# KiCad board Wrap030-Multiuser.kicad_pcb (continued)
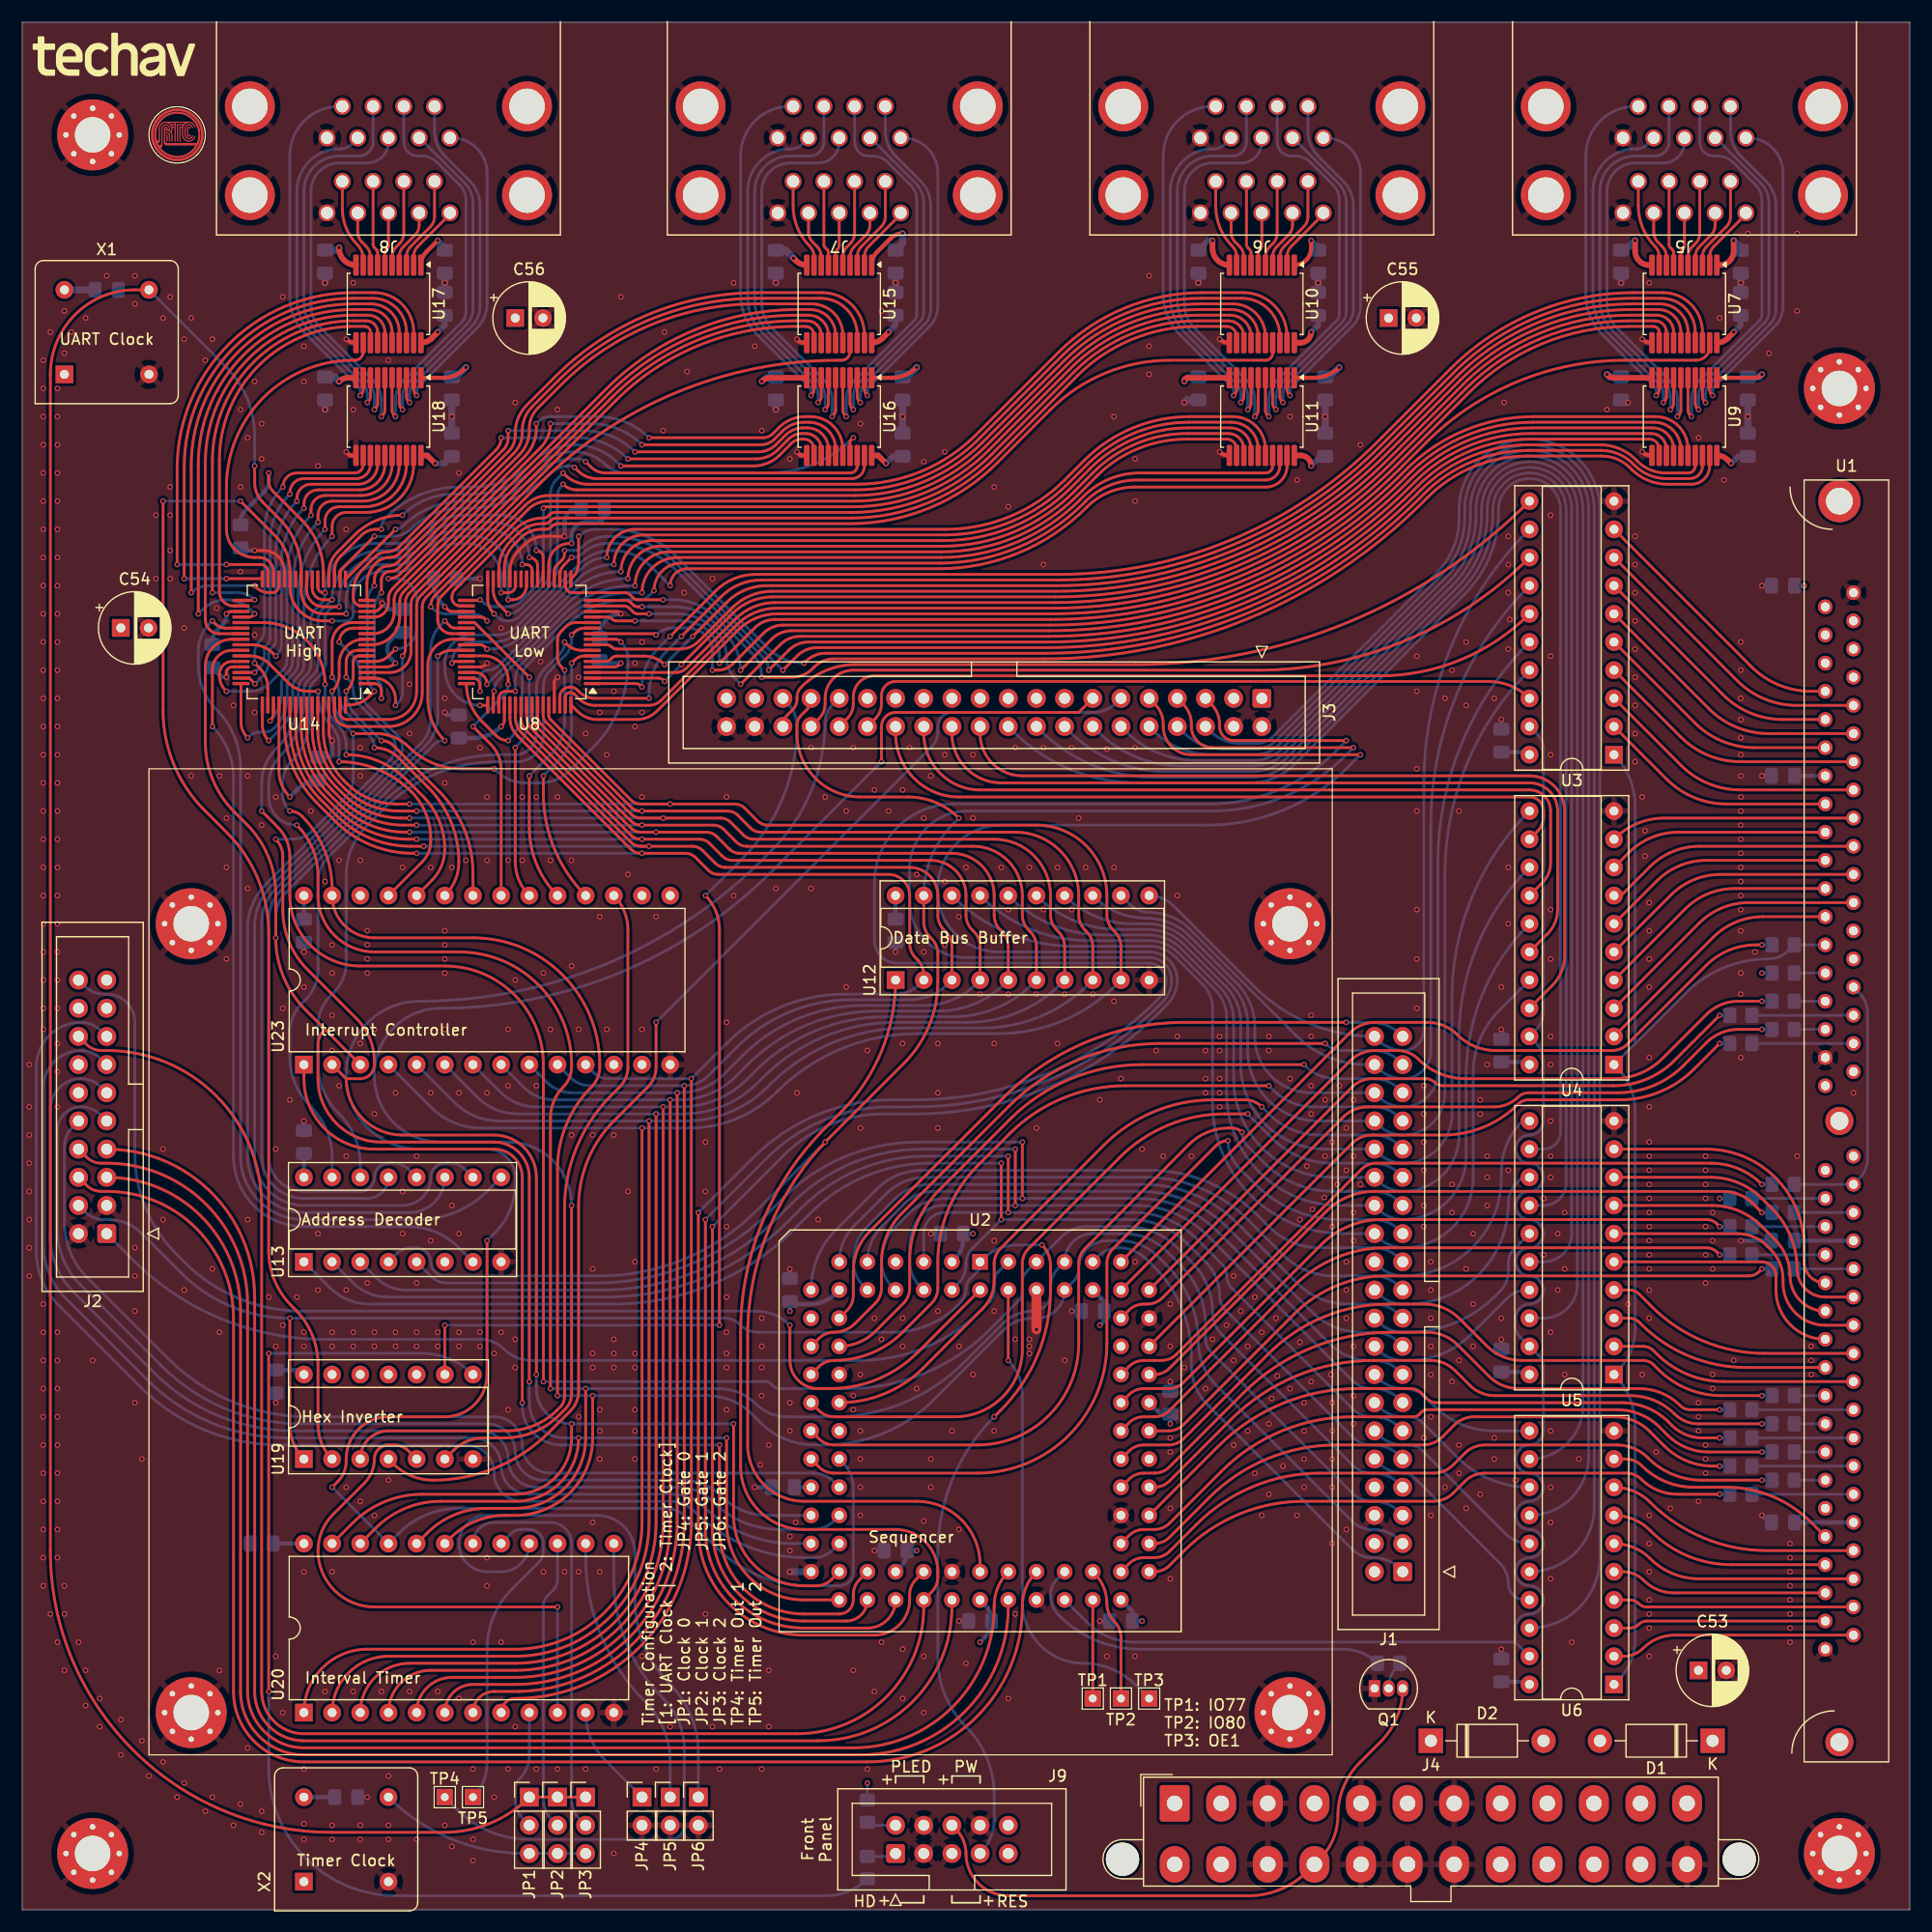
[diagram p0: board, top side]
## Routing (per net, layer and track width the routed paths; a pad name or vN(x,y) marks a point on that pad's centre or on a via; arc(x,y) is an arc through that point) (continued)
  Bottom w0.254: v1(119.38,80.01) 121.61,80.01 arc(123.07,79.72) 124.31,78.89 J1.39
/CPU-A21: length 94.6
  Bottom w0.254: U2.28 67.16,35.56 arc(64.95,36) 63.08,37.25 arc(61.43,38.35) 59.49,38.74 46.99,38.74 arc(45.19,39.48) 44.45,41.28 arc(43.71,43.07) 41.91,43.82 25.14,43.82 arc(18.34,45.17) 12.57,49.02 5.22,56.37 arc(3.71,58.64) 3.18,61.31 3.18,70.27 arc(3.8,71.77) 5.3,72.39 arc(6.27,72.2) 7.09,71.65 J2.9
/CPU-A22: length 101.9
  Bottom w0.254: J2.11 7.09,74.19 arc(6.27,74.74) 5.3,74.93 arc(3.35,74.12) 2.54,72.17 2.54,60.68 arc(3.07,58.01) 4.59,55.74 11.94,48.39 arc(17.71,44.53) 24.51,43.18 41.28,43.18 arc(43.07,42.44) 43.81,40.64 arc(44.56,38.84) 46.36,38.1 59.12,38.1 arc(60.82,37.76) 62.26,36.8 arc(65.04,34.94) 68.32,34.29 71.34,34.29 arc(72.31,34.48) 73.13,35.03 U2.29
/CPU-A23: length 103.3
  Bottom w0.254: J2.13 7.09,76.73 arc(6.27,77.28) 5.3,77.47 arc(2.9,76.48) 1.91,74.08 1.91,60.04 arc(2.44,57.37) 3.95,55.1 11.3,47.75 arc(17.07,43.9) 23.87,42.55 40.64,42.55 arc(42.44,41.8) 43.18,40.01 arc(43.92,38.21) 45.72,37.47 58.75,37.47 arc(60.2,37.17) 61.44,36.35 arc(65.13,33.89) 69.48,33.02 U2.30
/CPU-A31: length 110.6
  Bottom w0.254: U2.31 73.13,32.49 arc(72.31,31.94) 71.34,31.75 70.64,31.75 arc(65.22,32.83) 60.62,35.9 arc(59.59,36.59) 58.37,36.83 45.09,36.83 arc(43.29,37.57) 42.55,39.37 arc(41.8,41.17) 40.01,41.91 23.24,41.91 arc(16.44,43.26) 10.67,47.12 3.32,54.47 arc(1.8,56.74) 1.27,59.41 1.27,75.98 arc(2.45,78.83) 5.3,80.01 arc(6.27,79.82) 7.09,79.27 J2.15
/CPU-CLK: length 88.7
  Bottom w0.254: J2.1 10,58.58 arc(17.91,53.29) 27.25,51.44 41.33,51.44 arc(42.45,51.21) 43.41,50.57 arc(44.56,49.8) 45.93,49.53 75.51,49.53 arc(81.43,50.71) 86.44,54.06 87.26,54.87 arc(87.53,55.29) 87.63,55.77 87.63,56.62 arc(87.73,57.11) 88,57.52 U2.83
/CPU-D0: length 158.2
  Bottom w0.254: J3.6 107.08,106.28 arc(108.32,105.45) 109.79,105.16 111.3,105.16 arc(112.08,105.31) 112.74,105.75 127.53,120.55 arc(129.02,122.77) 129.54,125.4 129.54,126.24 arc(131.4,130.73) 135.89,132.59 arc(140.38,130.73) 142.24,126.24 142.24,31.75 arc(140.38,27.26) U6.18
/CPU-D1: length 154.7
  Bottom w0.254: J3.8 104.62,106.2 arc(106.34,105.05) 108.37,104.65 111.22,104.65 arc(112.19,104.84) 113.01,105.39 127.89,120.27 arc(129.49,122.66) 130.05,125.48 130.05,126.24 arc(131.76,130.37) 135.89,132.08 arc(140.02,130.37) 141.73,126.24 141.73,36.32 arc(140.02,32.19) U6.16
/CPU-D2: length 151.4
  Bottom w0.254: 141.22,126.49 141.22,40.89 arc(139.66,37.12) U6.14 ; J3.10 101.95,106.33 arc(104.38,104.71) 107.24,104.14 111.13,104.14 arc(112.3,104.37) 113.29,105.03 128.25,119.99 arc(129.96,122.55) 130.56,125.56 130.56,126.24 arc(132.12,130.01) 135.89,131.57 arc(139.66,130.01) 141.22,126.24
/CPU-D3: length 147.9
  Bottom w0.254: J3.12 99.5,106.24 arc(102.39,104.31) 105.8,103.63 111.05,103.63 arc(112.41,103.9) 113.56,104.67 128.61,119.72 arc(130.43,122.44) 131.06,125.65 131.06,126.24 arc(132.48,129.65) 135.89,131.06 arc(139.3,129.65) 140.72,126.24 ; 140.72,126.49 140.72,45.47 arc(139.3,42.05) U6.12
/CPU-D4: length 137
  Bottom w0.254: J3.14 96.95,106.25 arc(100.41,103.94) 104.5,103.12 110.97,103.12 arc(112.52,103.43) 113.84,104.31 128.97,119.44 arc(130.9,122.33) 131.57,125.73 131.57,126.24 arc(132.84,129.29) 135.89,130.56 arc(138.94,129.29) 140.21,126.24 140.21,56.39 arc(139.32,54.23) 137.16,53.34 U5.18
/CPU-D5: length 133.7
  Bottom w0.254: U5.16 137.16,58.42 arc(138.96,59.16) 139.7,60.96 139.7,126.48 ; J3.16 94.43,106.23 arc(98.43,103.56) 103.15,102.62 110.88,102.62 arc(112.63,102.96) 114.12,103.96 129.33,119.17 arc(131.36,122.22) 132.08,125.81 132.08,126.24 arc(133.2,128.93) 135.89,130.05 arc(138.58,128.93) 139.7,126.24
/CPU-D6: length 129.9
  Bottom w0.254: U5.14 137.16,63.5 arc(138.6,64.1) 139.19,65.53 139.19,126.24 arc(138.22,128.57) 135.89,129.54 arc(133.56,128.57) 132.59,126.24 132.59,126.24 132.59,125.57 arc(131.77,121.96) 129.69,118.89 114.39,103.6 arc(112.74,102.49) 110.8,102.11 102.04,102.11 arc(96.47,103.22) 91.75,106.37 J3.18
/CPU-D7: length 127
  Top w0.254: U5.12 135.89,69.22
  Bottom w0.254: U5.12 137.16,68.58 arc(138.24,69.03) 138.68,70.1 138.68,126.24 arc(137.87,128.21) 135.89,129.03 arc(133.91,128.21) 133.1,126.24 133.1,125.98 arc(132.3,121.99) 130.05,118.62 114.67,103.24 arc(112.85,102.03) 110.72,101.6 100.6,101.6 arc(94.48,102.82) 89.3,106.28 J3.20
/CPU-D8: length 76.3
  Top w0.254: J3.22 86.36,106.05 arc(87.48,103.35) 90.17,102.24 135.89,102.24 arc(138.14,101.31) 139.06,99.06 139.06,86.03 arc(138.77,84.58) 137.95,83.34 U4.18
/CPU-D9: length 72.8
  Top w0.254: J3.24 83.82,106.05 arc(85.12,102.9) 88.27,101.6 135.89,101.6 arc(137.69,100.86) 138.43,99.06 138.43,90.22 arc(138.19,89) 137.5,87.97 U4.16
/CPU-D10: length 69.4
  Top w0.254: J3.26 81.28,106.05 arc(82.77,102.45) 86.36,100.97 135.89,100.97 arc(137.24,100.41) 137.8,99.06 137.8,94.4 arc(137.6,93.43) 137.05,92.6 U4.14
/CPU-D11: length 66
  Top w0.254: U4.12 136.6,97.23 arc(137.01,97.85) 137.16,98.58 137.16,99.06 arc(136.79,99.96) 135.89,100.33 84.45,100.33 arc(80.41,102) 78.74,106.05 J3.28
/CPU-D12: length 62.8
  Top w0.254: J3.30 76.91,107.39 arc(77.32,108.01) 77.47,108.74 77.47,109.47 arc(77.84,110.37) 78.74,110.74 132.21,110.74 arc(134.2,110.35) U3.18
/CPU-D13: length 66.7
  Top w0.254: J3.32 74.37,107.39 arc(74.78,108.01) 74.93,108.74 74.93,109.35 arc(75.49,110.69) 76.84,111.25 122.4,111.25 arc(129.7,112.7) U3.15
/CPU-D14: length 70.6
  Top w0.254: J3.34 71.83,107.39 arc(72.24,108.01) 72.39,108.74 72.39,109.22 arc(73.13,111.02) 74.93,111.76 111.36,111.76 arc(124.64,114.4) U3.13
/CPU-D15: length 74.2
  Top w0.254: J3.36 68.58,106.79 arc(68.68,107.27) 68.95,107.69 69.48,108.21 arc(69.75,108.63) 69.85,109.11 69.85,109.33 arc(69.95,109.81) 70.22,110.23 arc(72.48,111.74) 75.15,112.27 100.32,112.27 arc(119.57,116.1) U3.11
/CPU-D16: length 19.8
  Bottom w0.254: J1.10 122.26,40.3 arc(123.29,39.61) 124.51,39.37 arc(125.05,39.26) 125.51,38.95 133.23,31.23 arc(133.79,30.4) 133.99,29.42 arc(134.42,28.37) 135.46,27.94 U6.17
/CPU-D17: length 17.8
  Bottom w0.254: J1.12 122.26,42.84 arc(123.29,42.15) 124.51,41.91 124.99,41.91 arc(125.67,41.77) 126.25,41.39 133.72,33.92 arc(134.72,33.25) U6.15
/CPU-D18: length 16.5
  Bottom w0.254: J1.14 122.26,45.38 arc(123.29,44.69) 124.51,44.45 124.99,44.45 arc(125.67,44.31) 126.25,43.93 129.39,40.79 arc(132.37,38.8) U6.13
/CPU-D19: length 15.5
  Bottom w0.254: J1.16 122.26,47.92 arc(123.29,47.23) 124.51,46.99 124.68,46.99 arc(125.65,46.8) 126.47,46.25 127.31,45.41 arc(129.78,43.76) 132.7,43.18 U6.11
/CPU-D20: length 16.5
  Bottom w0.254: U5.17 135.67,55.88 arc(134.7,55.69) 133.88,55.14 130.59,51.85 arc(128.02,50.13) 124.99,49.53 124.51,49.53 arc(123.29,49.77) 122.26,50.46 J1.18
/CPU-D21: length 18.9
  Bottom w0.254: J1.20 122.26,53 arc(123.29,52.31) 124.51,52.07 124.86,52.07 arc(129.18,52.93) 132.85,55.38 133.24,55.77 arc(133.79,56.6) 133.99,57.57 133.99,58.31 arc(134.12,59) 134.52,59.59 U5.15
/CPU-D22: length 21
  Bottom w0.254: J1.22 122.26,55.54 arc(123.29,54.85) 124.51,54.61 124.88,54.61 arc(131.32,57.28) 133.99,63.72 arc(134.18,64.69) 134.73,65.51 135.25,66.04 U5.13
/CPU-D23: length 23.1
  Bottom w0.254: J1.24 122.26,58.08 arc(123.29,57.39) 124.51,57.15 arc(130.76,59.74) 133.35,65.99 133.35,66.52 arc(133.85,69.01) 135.25,71.12 U5.11
/CPU-D24: length 89.8
  Bottom w0.254: U4.17 133.19,81.12 arc(131.43,78.48) 130.81,75.37 130.81,65.99 arc(128.96,61.54) 124.51,59.69 arc(123.29,59.93) 122.26,60.62 J1.26 119.1,60.96 arc(110.77,64.41) 107.32,72.74 107.32,81.29 arc(107.08,82.45) 106.42,83.44 103.89,85.98 arc(102.9,86.64) 101.73,86.87 94.86,86.87 arc(88.88,88.06) U12.18
/CPU-D25: length 87.1
  Bottom w0.254: U12.17 arc(90.86,88.43) 96.17,87.38 101.65,87.38 arc(103.01,87.11) 104.17,86.33 107.54,82.96 arc(108.31,81.8) 108.58,80.44 108.58,73.66 arc(111.56,66.48) 118.74,63.5 J1.28 122.26,63.16 arc(123.29,62.47) 124.51,62.23 arc(128.51,63.89) 130.18,67.9 130.18,75.1 arc(131.66,82.57) U4.15
/CPU-D26: length 84.9
  Bottom w0.254: U4.13 arc(131.19,86.95) 129.54,78.65 129.54,69.8 arc(128.07,66.24) 124.51,64.77 arc(123.29,65.01) 122.26,65.7 J1.30 118.11,66.04 arc(111.82,68.64) 109.22,74.93 109.22,80.23 arc(108.91,81.79) 108.03,83.11 104.44,86.69 arc(103.12,87.57) 101.57,87.88 97.48,87.88 arc(92.84,88.81) U12.16
/CPU-D27: length 82.8
  Bottom w0.254: U12.15 arc(94.82,89.18) 98.8,88.39 101.48,88.39 arc(103.23,88.04) 104.72,87.05 108.52,83.25 arc(109.51,81.77) 109.86,80.02 109.86,76.2 arc(112.09,70.81) 117.48,68.58 J1.32 122.26,68.24 arc(123.29,67.55) 124.51,67.31 arc(127.62,68.6) 128.91,71.71 128.91,82.2 arc(130.72,91.32) U4.11
/CPU-D28: length 88.2
  Bottom w0.254: U3.17 arc(130.25,103.32) 128.27,93.36 128.27,73.61 arc(127.17,70.95) 124.51,69.85 arc(123.29,70.09) 122.26,70.78 J1.34 116.84,71.12 arc(112.35,72.98) 110.49,77.47 110.49,79.81 arc(110.1,81.75) 109,83.4 104.99,87.41 arc(103.34,88.51) 101.4,88.9 100.11,88.9 arc(96.79,89.56) U12.14
/CPU-D29: length 83.5
  Bottom w0.254: U12.13 96.6,91.36 arc(98.76,89.92) 101.32,89.41 arc(103.46,88.98) 105.27,87.77 109.49,83.55 arc(110.7,81.74) 111.13,79.6 111.13,78.74 arc(112.61,75.15) 116.2,73.66 J1.36 122.26,73.32 arc(123.29,72.63) 124.51,72.39 arc(126.72,73.31) 127.64,75.52 127.64,94.37 arc(129.78,105.16) U3.16
/CPU-D30: length 79.7
  Bottom w0.254: U12.12 99.84,90.66 arc(100.66,90.11) 101.64,89.92 101.65,89.92 arc(103.6,89.53) 105.25,88.43 114.87,78.8 arc(117.76,76.88) 121.16,76.2 J1.38 122.26,75.86 arc(123.29,75.17) 124.51,74.93 arc(126.27,75.66) 127,77.42 127,97.92 arc(129.31,109.53) U3.14
/CPU-D31: length 78.4
  Bottom w0.254: U3.12 arc(128.84,113.91) 126.36,101.46 126.36,79.33 arc(125.82,78.01) 124.51,77.47 arc(123.29,77.71) 122.26,78.4 J1.40 arc(116.05,79.91) 111.08,83.23 103.77,90.54 arc(102.77,91.21) U12.11
/CPU-R/~{W}: length 211.7
  Top w0.254: J2.16 5.79,78.03 arc(6.41,77.62) 7.14,77.47 7.62,77.47 arc(17.5,73.38) 21.59,63.5 21.59,19.69 arc(22.71,16.99) 25.4,15.88 69.85,15.88 arc(77.93,19.22) 81.28,27.31 U2.39 81.99,28.65 arc(82.4,29.27) 82.55,30 82.55,30.48 arc(81.43,33.17) 78.74,34.29 70.48,34.29 arc(66.44,35.96) 64.77,40.01 64.77,52.08 arc(66.75,62.04) 72.4,70.49 73.8,71.9 arc(77.46,77.37) U12.1
/CPU-SIZ0: length 138.8
  Top w0.254: J2.8 5.79,67.87 arc(6.41,67.46) 7.14,67.31 7.62,67.31 arc(16.6,63.59) 20.32,54.61 20.32,19.69 arc(21.81,16.09) 25.4,14.61 74.93,14.61 arc(83.91,18.32) 87.63,27.31 87.63,27.41 arc(87.96,29.07) U2.46
/CPU-SIZ1: length 140.8
  Top w0.254: J2.6 5.79,65.33 arc(6.41,64.92) 7.14,64.77 7.62,64.77 arc(15.7,61.42) 19.05,53.34 19.05,19.69 arc(20.91,15.19) 25.4,13.34 76.2,13.34 arc(86.08,17.43) 90.17,27.31 90.17,27.41 arc(90.5,29.07) U2.48
/IDE-CE: length 117.3
  Top w0.254: v1(22.23,50.17) v1(22.23,19.69)
  Bottom w0.254: v1(22.23,19.69) 22.23,12.77 arc(25.59,4.64) 33.73,1.27 72.48,1.27 arc(74.49,1.67) R23.1 ; v1(22.23,50.17) 36.04,50.17 arc(38.53,49.67) U19.8
/IDE-CE-R: length 2.7
  Bottom w0.254: R23.2 78.47,4.81 J9.1
/IRQ0: length 68.3
  Top w0.254: U19.3 arc(31.22,42.44) 33.02,43.18 43.72,43.18 arc(46.15,43.66) 48.21,45.04 48.52,45.35 arc(48.8,45.76) 48.89,46.25 48.89,63.23 arc(49.99,68.76) 53.12,73.44 53.87,74.19 arc(54.42,75.01) 54.61,75.98 54.61,88.37 arc(54.28,90.03) U23.17
/MEM-A0: length 55.6
  Top w0.254: v1(153.04,37.47) 149.24,37.47 arc(147.47,37.82) 145.96,38.82 arc(145.36,39.23) 144.64,39.37 131.86,39.37 arc(130.89,39.18) 130.07,38.63 129.01,37.57 arc(128.19,37.02) 127.22,36.83 115.53,36.83 arc(109.7,35.67) 104.76,32.37 103.43,31.04 arc(102.81,30.63) 102.08,30.48 U2.54
  Bottom w0.254: R1.1 v1(153.04,37.47)
/MEM-A0-R: length 9.2
  Bottom w0.254: R1.2 U1.12
/MEM-A1: length 63.2
  Top w0.254: v1(156.85,38.74) 151.42,38.74 arc(148.81,39.25) 146.59,40.73 arc(145.29,41.6) 143.75,41.91 131.86,41.91 arc(130.89,41.72) 130.07,41.17 129.01,40.11 arc(128.19,39.56) 127.22,39.37 117.01,39.37 arc(110.99,38.17) 105.88,34.76 103.43,32.31 arc(102.81,31.9) 102.08,31.75 101.12,31.75 arc(100.39,31.6) 99.77,31.19 U2.55
  Bottom w0.254: R2.1 v1(156.85,38.74)
/MEM-A1-R: length 2.8
  Bottom w0.254: U1.13 R2.2
/MEM-A2: length 57.5
  Top w0.254: U2.56 102.08,33.02 arc(102.81,33.17) 103.43,33.58 107,37.15 arc(112.27,40.67) 118.49,41.91 126.27,41.91 arc(127.24,42.1) 128.06,42.65 129.11,43.71 arc(129.94,44.26) 130.91,44.45 143.56,44.45 arc(145.27,44.11) 146.73,43.14 148.04,41.82 arc(150.06,40.48) 152.43,40.01 v1(153.04,40.01)
  Bottom w0.254: R3.1 v1(153.04,40.01)
/MEM-A2-R: length 9.2
  Bottom w0.254: R3.2 U1.14
/MEM-A3: length 63.9
  Top w0.254: v1(156.85,41.28) 152.01,41.28 arc(150.02,41.67) 148.34,42.8 147.63,43.5 arc(145.88,44.67) 143.81,45.09 126.63,45.09 arc(126.39,45.04) 126.18,44.9 125.92,44.64 arc(125.71,44.5) 125.47,44.45 119.97,44.45 arc(113.56,43.17) 108.12,39.54 103.43,34.85 arc(102.81,34.44) 102.08,34.29 101.12,34.29 arc(100.39,34.14) 99.77,33.73 U2.57
  Bottom w0.254: R4.1 v1(156.85,41.28)
/MEM-A3-R: length 2.8
  Bottom w0.254: U1.15 R4.2
/MEM-A4: length 57.6
  Top w0.254: U2.58 107.82,41.78 arc(113.59,45.64) 120.39,46.99 125.2,46.99 arc(125.69,46.89) 126.1,46.62 126.63,46.09 arc(127.04,45.82) 127.53,45.72 144.19,45.72 arc(146.5,45.26) 148.45,43.96 148.72,43.68 arc(149.98,42.84) 151.47,42.55 v1(153.04,42.55)
  Bottom w0.254: R5.1 v1(153.04,42.55)
/MEM-A4-R: length 9.2
  Bottom w0.254: R5.2 U1.16
/MEM-A5: length 61.7
  Top w0.254: U2.60 102.08,38.1 arc(102.81,38.25) 103.43,38.66 108.94,44.17 arc(114.88,48.14) 121.88,49.53 126.95,49.53 arc(128.17,49.29) 129.2,48.6 130.52,47.28 arc(131.55,46.6) 132.76,46.36 144.98,46.36 arc(147.14,45.93) 148.97,44.7 arc(149.96,44.05) 151.12,43.82 v1(156.85,43.82)
  Bottom w0.254: R6.1 v1(156.85,43.82)
/MEM-A5-R: length 2.8
  Bottom w0.254: U1.17 R6.2
/MEM-A6: length 62
  Top w0.254: v1(153.04,45.09) 150.39,45.09 arc(149.9,45.18) 149.49,45.46 arc(147.79,46.59) 145.79,46.99 134.93,46.99 arc(133.47,47.28) 132.23,48.11 129.39,50.95 arc(128.15,51.78) 126.69,52.07 123.36,52.07 arc(116.16,50.64) 110.06,46.56 103.43,39.93 arc(102.81,39.52) 102.08,39.37 101.12,39.37 arc(100.39,39.22) 99.77,38.81 U2.61
  Bottom w0.254: R7.1 v1(153.04,45.09)
/MEM-A6-R: length 9.2
  Bottom w0.254: R7.2 U1.18
/MEM-A7: length 61.6
  Top w0.254: U2.64 103.35,43.18 arc(104.08,43.33) 104.7,43.74 114.69,53.73 arc(118.48,56.26) 122.95,57.15 155.68,57.15 arc(156.17,57.25) 156.58,57.52 v1(156.85,57.79)
  Bottom w0.254: R8.1 v1(156.85,57.79)
/MEM-A7-R: length 5.4
  Bottom w0.254: R8.2 U1.28
/MEM-A8: length 61.4
  Top w0.254: v1(153.04,61.59) 152.77,61.86 arc(152.36,62.13) 151.87,62.23 122.54,62.23 arc(119.62,61.65) 117.15,60 104.7,47.55 arc(104.08,47.14) 103.35,46.99 101.12,46.99 arc(100.39,46.84) 99.77,46.43 U2.67
  Bottom w0.254: R9.1 v1(153.04,61.59)
/MEM-A8-R: length 6.6
  Bottom w0.254: R9.2 U1.31
/MEM-A9: length 63.3
  Top w0.254: U2.68 102.08,48.26 arc(102.81,48.41) 103.43,48.82 117.59,62.98 arc(119.57,64.31) 121.91,64.77 153.36,64.77 arc(154.82,64.48) 156.06,63.65 v1(156.85,62.87)
  Bottom w0.254: R10.1 v1(156.85,62.87)
/MEM-A9-R: length 5.3
  Bottom w0.254: U1.32 R10.2
/MEM-A10: length 66.3
  Top w0.254: v1(156.85,46.36) 153.23,46.36 arc(150.12,46.97) 147.48,48.73 147.06,49.16 arc(146.64,49.43) 146.16,49.53 135.19,49.53 arc(133.49,49.87) 132.05,50.83 129.57,53.31 arc(128.13,54.27) 126.43,54.61 123.15,54.61 arc(117.32,53.45) 112.38,50.15 104.7,42.47 arc(104.08,42.06) 103.35,41.91 101.12,41.91 arc(100.39,41.76) 99.77,41.35 U2.63
  Bottom w0.254: R11.1 v1(156.85,46.36)
/MEM-A10-R: length 2.8
  Bottom w0.254: U1.19 R11.2
/MEM-A11: length 61.3
  Top w0.254: v1(153.04,59.06) 152.77,59.32 arc(152.36,59.59) 151.87,59.69 122.95,59.69 arc(118.48,58.8) 114.69,56.27 103.43,45.01 arc(102.81,44.6) 102.08,44.45 101.12,44.45 arc(100.39,44.3) 99.77,43.89 U2.65
  Bottom w0.254: R12.1 v1(153.04,59.06)
/MEM-A11-R: length 6.6
  Bottom w0.254: U1.29 R12.2
/MEM-D0: length 22.1
  Top w0.254: U1.2 148.99,24.77 arc(147.45,24.46) 146.14,23.58 arc(145.34,23.05) 144.39,22.86 U6.2
/MEM-D1: length 21.8
  Top w0.254: 165.1,27.31 146.45,27.31 arc(146.08,27.38) 145.77,27.59 arc(145.38,27.85) 144.91,27.94 U6.4
/MEM-D2: length 22.4
  Top w0.254: 165.1,29.84 151.18,29.84 arc(148.79,30.32) 146.76,31.67 arc(145.27,32.67) U6.6
/MEM-D3: length 23.1
  Top w0.254: U1.8 157.31,32.39 arc(151.6,33.52) 146.76,36.75 arc(145.27,37.75) U6.8
/MEM-D4: length 22.5
  Top w0.254: 165.1,47.62 153.4,47.62 arc(150.13,48.28) 147.35,50.13 147.06,50.43 arc(146.64,50.7) 146.16,50.8 U5.2
/MEM-D5: length 23.3
  Top w0.254: U5.4 144.89,55.88 arc(145.37,55.78) 145.79,55.51 146.89,54.4 arc(151.59,51.27) 157.12,50.17 U1.22
/MEM-D6: length 26.4
  Top w0.254: U1.24 162.56,52.71 arc(159.87,53.82) 158.75,56.52 158.75,56.84 arc(158.46,58.3) 157.63,59.54 157.33,59.84 arc(156.09,60.67) 154.63,60.96 U5.6
/MEM-D7: length 27.7
  Top w0.254: U5.8 152.24,66.04 arc(154.73,65.54) 156.85,64.13 157.77,63.21 arc(159.44,60.72) 160.02,57.79 arc(160.76,55.99) 162.56,55.25 165.1,55.25
/MEM-D8: length 23.2
  Top w0.254: U4.2 152.45,87.68 arc(154.51,89.05) 156.94,89.54 U1.49
/MEM-D9: length 22.2
  Top w0.254: U4.4 149.91,90.22 arc(151.97,91.59) 154.4,92.08 U1.51
/MEM-D10: length 21.1
  Top w0.254: U4.6 147.37,92.76 arc(149.43,94.13) 151.86,94.62 U1.53
/MEM-D11: length 20.1
  Top w0.254: U4.8 144.83,95.3 arc(146.89,96.67) 149.32,97.16 U1.55
/MEM-D12: length 21.6
  Top w0.254: U1.57 153.65,99.7 arc(150.74,100.28) 148.26,101.93 U3.2
/MEM-D13: length 22.7
  Top w0.254: U1.61 156.19,104.78 arc(153.28,105.36) 150.8,107.01 U3.5
/MEM-D14: length 23.7
  Top w0.254: U3.7 153.34,109.55 arc(155.82,107.9) 158.73,107.32 U1.63
/MEM-D15: length 24.8
  Top w0.254: U1.65 161.27,109.86 arc(158.36,110.44) 155.88,112.09 U3.9
/MEM-D16: length 19.2
  Top w0.254: U1.3 146.45,26.04 arc(146.08,25.96) 145.77,25.75 arc(145.38,25.49) 144.92,25.4 U6.3
/MEM-D17: length 19.6
  Top w0.254: U6.5 144.3,30.48 arc(145.33,30.27) 146.2,29.69 arc(147.44,28.87) 148.9,28.58 U1.5
/MEM-D18: length 20.3
  Top w0.254: U1.7 154.1,31.12 arc(150.18,31.89) 146.86,34.11 146.76,34.21 arc(145.27,35.21) U6.7
/MEM-D19: length 21.1
  Top w0.254: U1.9 161.28,34.93 arc(157.77,37.28) 153.64,38.1 150.7,38.1 arc(148.16,38.6) 146.02,40.04 arc(145.35,40.48) 144.57,40.64 U6.9
/MEM-D20: length 20.3
  Top w0.254: U5.3 144.89,53.34 arc(145.37,53.24) 145.79,52.97 145.93,52.82 arc(150.28,49.92) 155.42,48.9 U1.21
/MEM-D21: length 23.6
  Top w0.254: U5.5 156.85,58.42 arc(157.74,58.05) 158.12,57.15 158.12,55.88 arc(159.42,52.74) U1.23
/MEM-D22: length 24.1
  Top w0.254: U5.7 152.35,63.5 arc(154.74,63.02) 156.77,61.67 158.04,60.4 arc(159.03,58.91) 159.38,57.15 arc(160.31,54.9) U1.25
/MEM-D23: length 26.5
  Top w0.254: U5.9 151.83,68.58 arc(158.07,66) 160.66,59.76 160.66,58.42 arc(161.21,57.07) U1.27
/MEM-D24: length 25.3
  Top w0.254: 165.1,90.81 155.67,90.81 arc(153.24,90.32) 151.18,88.95 U4.3
/MEM-D25: length 24.2
  Top w0.254: U4.5 148.64,91.49 arc(150.7,92.86) 153.13,93.35 165.1,93.35
/MEM-D26: length 23.2
  Top w0.254: U1.54 151.22,95.89 arc(148.79,95.4) 146.73,94.03 144.14,91.44
  Bottom w0.254: U4.7 144.14,91.44
/MEM-D27: length 22.1
  Top w0.254: U4.9 143.56,96.57 arc(145.62,97.94) 148.05,98.43 U1.56
/MEM-D28: length 24.7
  Top w0.254: U1.58 154.92,100.96 arc(152.01,101.55) 149.53,103.2 U3.3
/MEM-D29: length 24.7
  Top w0.254: U3.4 149.53,105.74 arc(152.01,104.09) 154.92,103.51 165.1,103.51
/MEM-D30: length 25.7
  Top w0.254: U1.62 157.46,106.05 arc(154.55,106.63) 152.07,108.28 U3.6
/MEM-D31: length 26.8
  Top w0.254: U3.8 154.61,110.82 arc(157.09,109.17) 160,108.59 165.1,108.59
/PIT-CLK: length 19.1
  Bottom w0.254: JP3.3 45.28,5.08 arc(38.65,6.4) X2.5
/PIT-CLK0: length 10.9
  Bottom w0.254: JP1.2 45.19,8.15 arc(44.64,8.97) 44.45,9.94 44.45,10.9 arc(44.55,11.39) 44.82,11.8 44.87,11.85 arc(45.5,12.79) 45.72,13.91 U20.9
/PIT-CLK1: length 26.2
  Bottom w0.254: JP2.2 47.73,8.15 arc(47.18,8.97) 46.99,9.94 46.99,27.41 arc(47.09,27.9) 47.36,28.31 47.89,28.84 arc(48.16,29.25) 48.26,29.74 U20.15
/PIT-CLK2: length 36.9
  Bottom w0.254: JP3.2 50.27,8.15 arc(49.72,8.97) 49.53,9.94 49.53,33.02 arc(48.97,34.37) 47.62,34.93 42.55,34.93 arc(41.2,34.37) U20.18
/PIT-GATE0: length 9.5
  Bottom w0.254: JP4.1 52.6,13.44 arc(51.27,15.43) U20.11
/PIT-GATE1: length 24.9
  Bottom w0.254: U20.14 50.8,31.74 arc(52.2,24.71) 56.18,18.75 arc(57.84,16.27) 58.42,13.35 JP5.1
/PIT-GATE2: length 52
  Bottom w0.254: JP6.1 60.96,14.15 arc(60.29,17.5) 58.39,20.35 arc(56.06,23.83) 55.25,27.95 55.25,32.15 arc(54.25,34.56) 51.84,35.56 41.91,35.56 arc(40.11,34.82) 39.37,33.02 arc(40.11,31.22) 41.91,30.48 43.18,30.48 arc(44.98,31.22) U20.16
/PIT-OUT0: length 49
  Top w0.254: U19.5 34.85,41.35 arc(34.23,41.76) 33.5,41.91 33.02,41.91 arc(32.12,41.54) 31.75,40.64 arc(31.52,39.47) 30.85,38.47 28.02,35.64 arc(27.02,34.14) 26.67,32.39 arc(28.16,28.79) 31.75,27.31 v1(48.26,27.31)
  Bottom w0.254: v1(48.26,27.31) U20.10
/PIT-OUT1: length 50.6
  Bottom w0.254: TP4.1 39.23,9.03 arc(42.2,7.05) 45.7,6.35 58.42,6.35 arc(59.32,6.72) 59.69,7.62 59.69,14.51 arc(59.21,16.94) 57.83,19 arc(54.51,23.98) 53.34,29.84 U20.13
/PIT-OUT2: length 29.9
  Bottom w0.254: U20.17 44.08,33.92 arc(44.49,34.19) 44.98,34.29 45.72,34.29 arc(46.62,33.92) 46.99,33.02 46.99,32.28 arc(46.89,31.79) 46.62,31.38 44.14,28.9 arc(42.49,26.43) 41.91,23.51 41.91,13.23 arc(41.58,11.57) TP5.1
/PSU-ON: length 34.5
  Bottom w0.254: U2.50 93.27,29.77 arc(92.86,29.15) 92.71,28.42 92.71,28.41 arc(92.91,27.39) 93.49,26.53 arc(96.85,24.28) 100.81,23.5 119.12,23.5 arc(120.78,23.16) R21.1
/PSU-ON-R: length 2.5
  Bottom w0.254: R21.2 124.08,22.12 arc(123.42,21.13) Q1.2
/PWR-LED: length 2.7
  Bottom w0.254: J9.2 76.47,7.62 R22.2
/RESET: length 137.1
  Top w0.254: v1(19.69,127) 22.82,123.86 arc(23.81,122.39) 24.15,120.66 U14.27 24.15,119.21 arc(25.03,117.08) 27.15,116.21 v1(27.94,116.21) ; U8.27 44.47,119.38 arc(44.28,118.93) 43.84,118.75 v1(43.18,118.75) ; v1(12.7,127) 12.7,108.13 arc(13.67,103.27) 16.42,99.15 18.51,97.06 arc(21.26,92.94) 22.23,88.08 22.23,59.41 arc(22.76,56.74) 24.27,54.47 24.62,54.12 arc(26.14,51.85) 26.67,49.18 26.67,43.71 arc(27,42.05) U19.2
  Bottom w0.254: v1(43.18,118.75) 43.18,120.02 arc(42.25,122.26) 40.01,123.19 39.64,123.19 arc(37.63,122.79) 35.93,121.65 35.67,121.39 arc(34.84,120.84) 33.87,120.65 32.39,120.65 arc(30.59,119.91) 29.84,118.11 29.84,116.84 arc(29.66,116.39) 29.21,116.21 v1(27.94,116.21) ; v1(19.69,127) v1(12.7,127)
/UART0-CTS: length 110.1
  Top w0.254: v1(57.91,110.74) 57.79,110.86 arc(57.59,111) 57.34,111.05 U8.2 ; v1(59.44,112.27) 64.04,116.88 arc(65.69,117.98) 67.64,118.36 93.07,118.36 arc(109.4,121.61) 123.24,130.86 129.89,137.51 arc(136.82,142.14) 144.98,143.76 147.36,143.76 arc(148.44,143.32) 148.88,142.24 U7.14
  Bottom w0.254: v1(59.44,112.27) v1(57.91,110.74)
/UART0-DCD: length 114.2
  Top w0.254: U8.64 49.49,108.63 50.06,108.06 arc(50.88,107.51) 51.85,107.32 55.41,107.32 arc(56.39,107.51) 57.21,108.06 64.5,115.35 arc(66.15,116.45) 68.1,116.84 92.82,116.84 arc(109.73,120.2) 124.07,129.78 126.55,132.26 arc(134.79,137.77) 144.51,139.7 150.91,139.7 arc(151.78,140.06) 152.13,140.92 U7.19
/UART0-DSR: length 115.9
  Top w0.254: U7.18 151.49,142.24 arc(150.44,144.75) 147.93,145.8 145.32,145.8 arc(136.37,144.02) 128.79,138.95 122.14,132.3 arc(108.95,123.49) 93.4,120.4 66.11,120.4 arc(64.17,120.01) 62.52,118.91 v1(58.42,114.81) ; U8.1 55.3,110.55 arc(55.55,110.5) 55.75,110.36 v1(55.88,110.24)
  Bottom w0.254: v1(58.42,114.81) 57.32,113.7 arc(56.25,112.11) v1(55.88,110.24)
/UART0-DTR: length 108.5
  Top w0.254: U7.13 148.24,142.24 arc(147.94,142.96) 147.22,143.26 144.9,143.26 arc(136.93,141.67) 130.17,137.16 123.52,130.5 arc(109.51,121.14) 92.99,117.86 67.89,117.86 arc(65.95,117.47) 64.3,116.37 59.85,111.92 arc(59.44,111.65) 58.95,111.55 U8.3
/UART0-INT: length 24.9
  Top w0.254: v1(49.53,112.4) 49.81,112.68 arc(50.23,112.95) 50.71,113.05 U8.6 ; v1(46.99,102.24) 46.99,100.64 arc(47.98,95.66) U23.18
  Bottom w0.254: v1(49.53,112.4) 49.53,106.35 arc(49.24,104.9) 48.41,103.66 v1(46.99,102.24)
/UART0-RI: length 112.3
  Top w0.254: U8.63 48.97,109.35 arc(49.08,109.62) 49.35,109.73 49.5,109.73 arc(49.64,109.7) 49.77,109.62 50.21,109.17 arc(50.86,108.74) 51.63,108.59 56.48,108.59 arc(57.1,108.71) 57.62,109.06 64.43,115.86 arc(66.07,116.96) 68.02,117.35 92.9,117.35 arc(109.62,120.67) 123.79,130.14 130.45,136.8 arc(137.04,141.2) 144.81,142.75 147.08,142.75 arc(147.44,142.6) 147.58,142.24 U7.12
/UART0-RTS: length 112
  Top w0.254: U7.16 150.19,142.24 arc(149.44,144.04) 147.64,144.78 145.15,144.78 arc(136.59,143.08) 129.34,138.23 122.69,131.58 arc(109.18,122.55) 93.24,119.38 67.13,119.38 arc(65.18,118.99) 63.54,117.89 v1(60.45,114.81) ; U8.5 52.6,112.55 arc(52.84,112.6) 53.05,112.74 53.15,112.84 arc(53.36,112.98) 53.6,113.03 56.07,113.03 arc(57.07,112.83) v1(57.91,112.27)
  Bottom w0.254: v1(60.45,114.81) v1(57.91,112.27)
/UART0-RXD: length 119.9
  Top w0.254: U7.17 150.83,142.24 arc(149.94,144.4) 147.79,145.29 145.23,145.29 arc(136.48,143.55) 129.07,138.59 122.41,131.94 arc(109.07,123.02) 93.32,119.89 66.62,119.89 arc(64.68,119.5) 63.03,118.4 v1(59.44,114.81) ; v1(56.52,109.22) 51.62,109.22 arc(50.86,109.37) 50.22,109.8 50.04,109.98 arc(49.76,110.17) 49.42,110.24 49.36,110.24 arc(48.73,109.98) 48.47,109.35 U8.62
  Bottom w0.254: v1(56.52,109.22) 56.52,109.61 arc(56.93,111.71) 58.12,113.5 v1(59.44,114.81)
